# Altium PCB GameBoard_V1I1.PcbDoc (part 21 of 22) (continued)
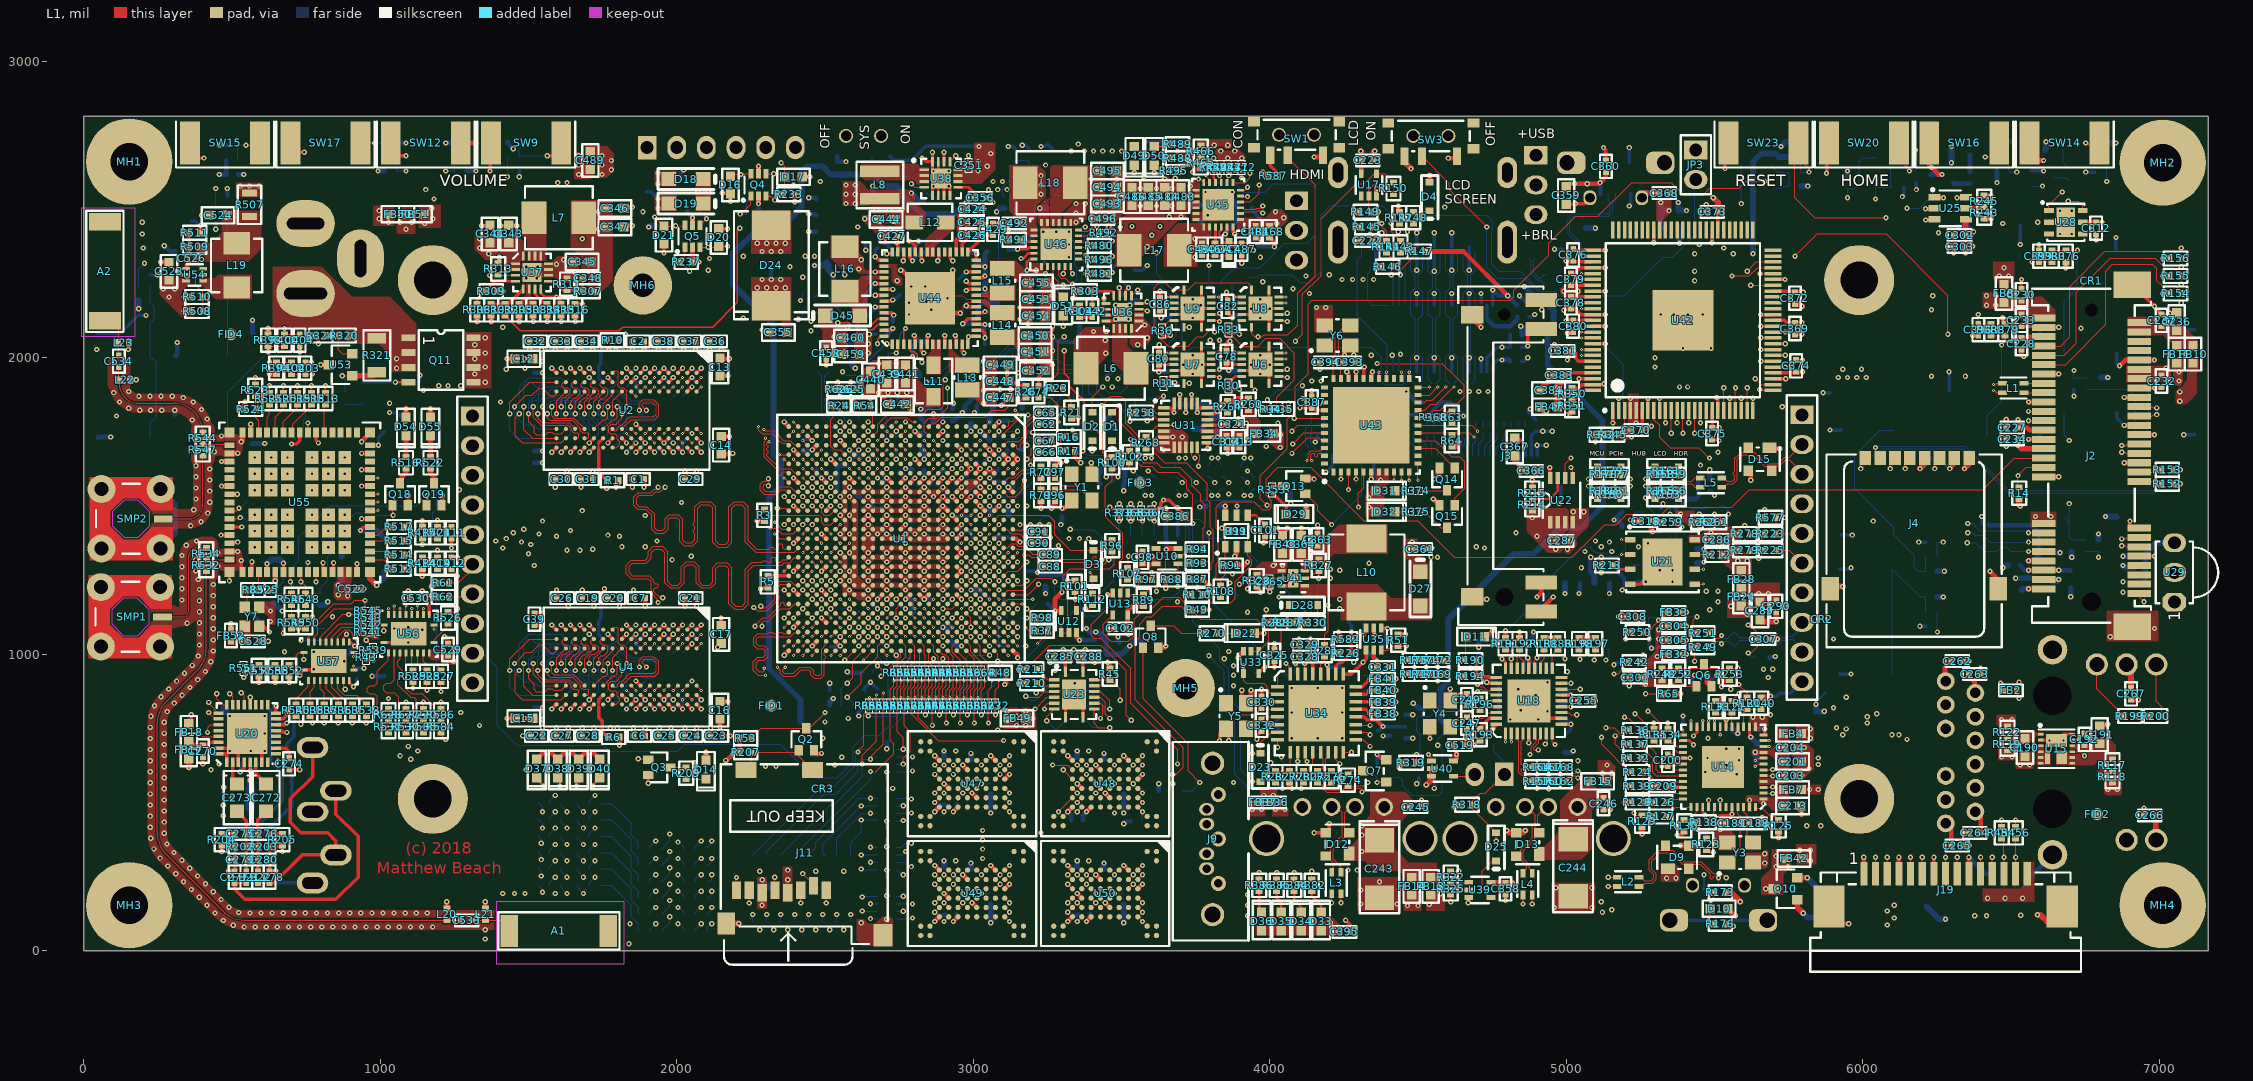
[diagram p0: L1 view]
## Polygon pours and split planes (outlines as drawn) (continued)
GND on L1 "L1-GND 4" (solid, remove dead copper, pour order 972): 3228.35,2409.45 3228.35,2444.88 3212.36,2460.87 3212.36,2511.57 3236.22,2535.43 3259.84,2535.43 3259.84,2409.45
SW2 on L1 "L1-SW2" (solid, remove dead copper, pour order 970): 3188.98,2405.51 3157.48,2437.01 3145.67,2437.01 3145.67,2472.44 3122.05,2496.06 3122.05,2649.61 3220.47,2649.61 3244.09,2625.98 3244.09,2543.31 3212.6,2511.81 3212.6,2444.88 3216.54,2440.94 3216.54,2405.51
+3V3_HDR on L1 "L1-+3V3_HDR 1" (solid, remove dead copper, pour order 968): 1645.67,2531.5 1641.73,2527.56 1641.73,2374.02 1677.17,2338.58 1677.17,2303.15 1700.79,2279.53 1700.79,2208.66 1732.28,2208.66 1783.46,2259.84 1783.46,2531.5
FS_3V3_HDR on L1 "L1-FS_3V3_HDR" (solid, remove dead copper, pour order 966): 1507.87,2248.03 1507.87,2208.66 1527.56,2188.98 1527.56,2169.29 1456.69,2169.29 1456.69,2188.98 1468.5,2188.98 1492.13,2212.6 1492.13,2248.03
GND on L1 "L1-GND 5" (solid, remove dead copper, pour order 964): 1543.31,2255.91 1543.31,2271.65 1590.55,2271.65 1610.24,2251.97 1637.8,2251.97 1669.29,2283.46 1669.29,2342.52 1598.43,2342.52 1574.8,2318.9 1480.32,2318.9 1480.32,2255.91
PHASE_3V3_HDR on L1 "L1-PHASE_3V3_HDR" (solid, remove dead copper, pour order 962): 1496.06,2326.77 1496.06,2393.7 1476.38,2413.39 1476.38,2527.56 1559.06,2527.56 1559.06,2326.77
+VIN_4V2 on L1 "L1-+VIN_4V2 1" (solid, remove dead copper, pour order 960): 1472.44,2291.34 1472.44,2326.77 1488.19,2326.77 1488.19,2385.83 1460.63,2413.39 1318.9,2413.39 1318.9,2366.14 1354.33,2330.71 1374.02,2330.71 1393.7,2350.39 1409.45,2350.39 1421.26,2338.58 1421.26,2295.28 1421.26,2291.34
+VIN_4V2 on L1 "L1-+VIN_4V2 2" (solid, remove dead copper, pour order 958): 358.27,2267.72 311.02,2267.72 299.21,2279.53 255.91,2279.53 255.91,2212.6 330.71,2137.8 370.08,2137.8 374.02,2141.73 374.02,2173.23 358.27,2173.23 330.71,2200.79 330.71,2224.41 358.27,2251.97
+5V_USB_OTG on L1 "L1-+5V_USB_OTG" (solid, remove dead copper, pour order 956): 5746.06,271.65 5732.28,257.87 5732.28,188.98 5657.48,188.98 5657.48,244.09 5692.91,279.53 5692.91,342.52 5759.84,342.52 5759.84,271.65
GND on L1 "L1-GND 6" (solid, remove dead copper, pour order 954): 5681.1,283.46 5673.23,275.59 5602.36,275.59 5602.36,330.71 5661.42,330.71 5669.29,338.58 5681.1,338.58
+VIN_5V on L1 "L1-+VIN_5V 2" (solid, remove dead copper, pour order 952): 5775.59,358.27 5838.58,358.27 5842.52,358.27 5842.52,291.34 5775.59,291.34
BAT2 on L1 "L1-BAT2" (solid, remove dead copper, pour order 946): 3299.21,2485.83 3298.3,2486.74 3342.52,2530.96 3342.52,2531.5 3389.76,2531.5 3389.76,2464.57 3370.08,2464.57 3350.39,2444.88 3299.21,2444.88
SYS2 on L1 "L1-SYS2" (solid, remove dead copper, pour order 944): 3299.21,2444.88 3299.21,2488.19 3342.52,2531.5 3389.76,2531.5 3389.76,2464.57 3397.64,2456.69 3444.88,2456.69 3444.88,2649.61 3267.72,2649.61 3259.84,2641.73 3259.84,2444.88
GND on L1 "L1-GND 7" (solid, remove dead copper, pour order 942): 4992.13,1359.68 4991.1,1358.65 4991.1,1347.49 5000,1338.58 5011.81,1338.58 5035.43,1366.14 5034.4,1390.79 5074.67,1429.27 5075.48,1491.31 5074.67,1492.13 5011.81,1492.13 5011.81,1421.26 4992.13,1401.57
+3V3 on L1 "L1-+3V3 3" (solid, remove dead copper, pour order 936): 4980.31,1342.52 4992.13,1354.33 4992.13,1405.51 5007.87,1421.26 5007.87,1484.25 5000,1492.13 4870.08,1492.13 4866.14,1488.19 4866.14,1413.39 4937.01,1342.52
+3V3 on L1 "L1-+3V3 4" (solid, remove dead copper, pour order 934): 5484.25,1374.02 5510.93,1347.34 5510.93,1327.65 5574.8,1263.78 5625.98,1263.78 5625.98,1318.9 5590.55,1354.33 5590.55,1425.2 5586.61,1429.13 5476.38,1429.13 5448.82,1401.57 5413.39,1401.57 5413.39,1397.64 5413.39,1374.02
GND on L1 "L1-GND 8" (solid, remove dead copper, pour order 862): 5370.08,1444.88 5397.64,1444.88 5433.07,1409.45 5452.76,1409.45 5460.63,1417.32 5460.63,1433.07 5452.76,1440.94 5452.76,1456.69 5444.88,1456.69 5433.07,1468.5 5433.07,1484.25 5370.08,1484.25
GND on L1 "L1-GND 9" (solid, remove dead copper, pour order 860): 5165.35,1724.41 5228.35,1724.41 5228.35,1751.97 5244.09,1767.72 5244.09,1877.95 5208.66,1877.95 5208.66,1771.65 5188.98,1751.97 5165.35,1751.97
+3V3 on L1 "L1-+3V3 5" (solid, remove dead copper, pour order 858): 2358.27,165.35 2389.76,165.35 2389.76,282.87 2389.17,283.46 2358.27,283.46
+3V3_GYRO on L1 "L1-+3V3_GYRO" (solid, remove dead copper, pour order 856): 3968.5,1724.41 3968.5,1787.4 3944.88,1811.02 3944.88,1834.65 3913.39,1834.65 3913.39,1763.78 3909.45,1759.84 3767.72,1759.84 3767.72,1744.09 3822.83,1744.09 3842.52,1724.41
+3V3_WIFI on L1 "L1-+3V3_WIFI" (solid, remove dead copper, pour order 846): 905.51,1295.28 905.51,1255.91 901.57,1251.97 901.57,1186.02 896.65,1181.1 854.33,1181.1 842.52,1192.91 842.52,1236.22 854.33,1248.03 854.33,1295.28
+5V_JMP on L1 "L1-+5V_JMP" (solid, remove dead copper, pour order 424): 1287.4,2086.61 1374.02,2086.61 1374.02,1897.64 1287.4,1897.64
+5V_BARREL on L1 "L1-+5V_BARREL" (solid, remove dead copper, pour order 844): 637.8,2307.09 637.8,2094.49 885.83,2094.49 885.83,2059.06 897.64,2047.24 994.09,2047.24 1039.37,2001.97 1039.37,1952.76 1122.05,1952.76 1122.05,2114.17 1031.5,2204.72 905.51,2204.72 803.15,2307.09
+1V5_DDR on L1 "L1-+1V5_DDR" (solid, pour order 842): 2732.28,2440.94 2736.22,2437.01 2834.65,2437.01 2838.58,2440.94 2838.58,2492.13 2814.96,2515.75 2657.48,2515.75 2649.61,2507.87 2649.61,2496.06 2657.48,2488.19 2657.48,2444.88 2665.35,2437.01
+1V375_CORE on L1 "L1" (solid, remove dead copper, pour order 836): 2889.76,1838.58 2885.83,1834.65 2755.91,1834.65 2755.91,1866.14 2748.03,1874.02 2629.92,1874.02 2629.92,1901.57 2659.45,1901.57 2669.29,1911.42 2687.01,1929.13 2811.02,1929.13 2842.52,1897.64 2889.76,1897.64
GND on L1 "L1-GND" (solid, remove dead copper, pour order 834): 3224.41,2267.72 3259.84,2267.72 3275.59,2251.97 3275.59,2173.23 3259.84,2157.48 3259.84,2122.05 3224.41,2122.05
+VIN_5V on L1 "L1-+VIN_5V" (solid, pour order 760): 2251.97,2496.06 2251.97,2350.39 2385.83,2350.39 2385.83,2496.06
+VIN_4V2 on L1 "L1-+VIN_4V2" (solid, pour order 724): 2385.83,2070.87 2355.32,2070.87 2354.33,2071.85 2354.33,2125.98 2251.97,2125.98 2251.97,2271.65 2385.83,2271.65
+3V3_HDR on L1 "L1-+3V3_HDR" (solid, pour order 708): 2000,2496.06 1925.2,2496.06 1925.2,2547.24 2000,2547.24
+3V3 on L1 "L1-+3V3 1" (solid, pour order 702): 2000,2578.74 1925.2,2578.74 1925.2,2629.92 2000,2629.92
+5V_FTDI on L1 "L1-+5V_FTDI" (solid, pour order 700): 2114.17,2625.98 2114.17,2496.06 2062.99,2496.06 2062.99,2625.98
+3V3 on L1 "L1-+3V3" (solid, pour order 698): 3200.79,2110.24 3173.23,2110.24 3153.54,2129.92 3153.54,2251.97 3129.92,2275.59 3055.12,2275.59 3055.12,2326.77 3145.67,2326.77 3200.79,2271.65
GND on L1 "L1" (solid, remove dead copper, pour order 696): 18 vertices, not listed, extent 2629.92,1929.13 2787.4,1992.13
GND on L1 "L1" (solid, remove dead copper, pour order 694): 3224.41,1940.94 3224.41,2003.94 3220.47,2007.87 3220.47,2090.55 3251.97,2090.55 3271.65,2070.87 3271.65,2062.99 3271.65,2015.75 3271.65,1956.69 3255.91,1940.94
SW3LX on L1 "L1" (solid, remove dead copper, pour order 692): 2937.01,2438.98 2937.01,2480.31 2877.95,2480.31 2877.95,2437.01 2838.58,2397.64 2838.58,2344.49 2838.58,2340.55 2870.08,2340.55 2870.08,2372.05
+1V375_SOC on L1 "L1" (solid, remove dead copper, pour order 688): 3031.5,1929.13 3031.5,2000 3078.74,2000 3078.74,1838.58 3027.56,1838.58 3000,1866.14 2940.94,1866.14 2940.94,1917.32 3019.68,1917.32
SW1CLX on L1 "L1" (solid, remove dead copper, pour order 686): 2917.32,2047.24 2917.32,1948.82 3019.68,1948.82 3019.68,2000 2956.69,2000 2933.07,2023.62 2929.13,2027.56 2929.13,2047.24
SW1LX on L1 "L1" (solid, remove dead copper, pour order 684): 2858.27,2059.06 2889.76,2059.06 2889.76,1944.88 2842.52,1944.88 2842.52,2003.94 2858.27,2019.68 2858.27,2023.62
GND on L1 "L1" (solid, remove dead copper, pour order 682): 2598.43,1992.13 2598.43,2078.74 2606.3,2086.61 2649.61,2086.61 2653.54,2086.61 2657.48,2082.68 2657.48,2015.75 2657.48,2011.81 2637.8,1992.13
+5V on L1 "L1" (solid, remove dead copper, pour order 680): 2574.8,1996.06 2547.24,1996.06 2519.68,2023.62 2492.13,2023.62 2492.13,2090.55 2480.31,2102.36 2476.38,2106.3 2476.38,2169.29 2527.56,2169.29 2527.56,2122.05 2535.43,2114.17 2543.31,2106.3 2559.05,2106.3 2574.8,2090.55
SWBSTLX on L1 "L1" (solid, remove dead copper, pour order 678): 2698.82,2275.59 2698.82,2263.78 2663.39,2263.78 2647.64,2248.03 2643.7,2244.09 2643.7,2118.11 2592.52,2118.11 2592.52,2165.35 2572.83,2185.04 2521.65,2185.04 2521.65,2263.78 2612.2,2263.78 2624.02,2275.59
+0V75_DDR_VTT on L1 "L1" (solid, remove dead copper, pour order 676): 17 vertices, not listed, extent 3055.12,1942.04 3216.54,2095.58
SW4LX on L1 "L1" (solid, remove dead copper, pour order 674): 3015.75,2185.04 3015.75,2196.85 3043.31,2196.85 3055.12,2185.04 3062.99,2177.17 3074.8,2177.17 3141.73,2177.17 3141.73,2125.98 3055.12,2125.98 3055.12,2161.42 3035.43,2181.1 3031.5,2185.04 3015.75,2185.04
SW2LX on L1 "L1" (solid, remove dead copper, pour order 672): 3009.84,2204.72 3009.84,2216.54 3045.28,2216.54 3057.09,2228.35 3057.09,2244.09 3139.76,2244.09 3139.76,2192.91 3057.09,2192.91 3045.28,2204.72
no net on L1 "L1" (solid, remove dead copper, pour order 668): 3009.84,2204.72 3009.84,2216.54 3045.28,2216.54 3057.09,2228.35 3057.09,2244.09 3139.76,2244.09 3139.76,2192.91 3057.09,2192.91 3045.28,2204.72
no net on L1 "L1" (solid, remove dead copper, pour order 666): 3011.81,2196.85 3011.81,2185.04 2976.38,2185.04 2964.57,2173.23 2964.57,2157.48 2881.89,2157.48 2881.89,2208.66 2964.57,2208.66 2976.38,2196.85
GND on L1 "L1" (solid, pour order 664): 20 vertices, not listed, extent 2622.05,1224.41 2732.64,1271.65
+VDDPU on L1 "L1" (solid, pour order 636): 39 vertices, not listed, extent 2716.54,1244.09 2921.26,1271.65
GND on L1 "L1" (solid, pour order 632): 39 vertices, not listed, extent 2716.54,1212.6 2921.26,1240.16
+1V375_SOC on L1 "L1" (solid, pour order 630): 47 vertices, not listed, extent 2622.05,1275.59 2921.26,1303.15
GND on L1 "L1" (solid, pour order 454): 48 vertices, not listed, extent 2622.05,1307.09 2921.26,1334.65
+1V375_CORE on L1 "L1" (solid, pour order 452): 34 vertices, not listed, extent 2685.04,1338.58 2921.26,1366.14
+1V2_VDD_ARM_CAP on L1 "L1" (solid, pour order 450): 30 vertices, not listed, extent 2685.04,1377.95 2921.26,1409.45
GND on L1 "L1" (solid, pour order 448): 28 vertices, not listed, extent 2779.53,1401.57 2921.26,1440.94
+1V5_DDR on L1 "L1" (solid, pour order 446): 40 vertices, not listed, extent 2578.74,1212.6 2716.54,1535.43
+1V2_VDD_ARM_CAP on L1 "L1" (solid, pour order 444): 41 vertices, not listed, extent 2685.04,1444.88 2921.26,1472.44
GND on L1 "L1" (solid, pour order 442): 26 vertices, not listed, extent 2700.79,1476.38 2858.27,1503.94
+1V375_CORE on L1 "L1" (solid, pour order 440): 41 vertices, not listed, extent 2622.05,1507.87 2858.27,1535.43
GND on L1 "L1" (solid, pour order 438): 50 vertices, not listed, extent 2590.55,1527.56 2921.26,1566.93
GND on L1 "L1" (solid, pour order 436): 22 vertices, not listed, extent 2622.05,1401.57 2732.28,1440.94
+1V1_VDDSOC_CAP on L1 "L1" (solid, pour order 434): 2692.91,1496.06 2661.42,1496.06 2653.54,1503.94 2637.8,1503.94 2622.05,1488.19 2622.05,1480.31 2625.98,1476.38 2633.86,1476.38 2641.73,1484.25 2649.61,1484.25 2657.48,1476.38 2696.85,1476.38 2700.79,1480.31 2700.79,1488.19
GND on L1 "L1" (solid, pour order 432): 32 vertices, not listed, extent 2547.24,1381.89 2590.55,1586.61
GND on L1 "L1" (solid, pour order 430): 38 vertices, not listed, extent 2543.31,1181.1 2669.29,1350.39
+1V1_VDDSOC_CAP on L1 "L1" (solid, pour order 428): 20 vertices, not listed, extent 2622.05,1338.58 2669.29,1409.45
GND on L1 "L1" (solid, pour order 426): 25 vertices, not listed, extent 2952.76,1523.62 3047.24,1602.36
PMID2 on L12 "L12-PMID2" (solid, remove dead copper, pour order 1362): 3149.61,2342.52 3177.17,2370.08 3212.6,2370.08 3212.6,2307.09 3188.98,2307.09 3177.17,2318.9 3149.61,2318.9
GND on L12 "L12-GND 17" (solid, remove dead copper, pour order 1356): 3157.48,1460.63 3157.48,1484.25 3204.72,1484.25 3204.72,1334.65 3122.05,1334.65 3122.05,1425.2
GND on L12 "L12-GND 16" (solid, remove dead copper, pour order 1352): 2452.76,759.84 2543.31,759.84 2551.18,751.97 2551.18,732.28 2590.55,732.28 2590.55,795.28 2510.62,795.28 2506.68,791.34 2452.76,791.34
+5V on L12 "L12-+5V" (solid, remove dead copper, pour order 1350): 2996.06,1519.68 2996.06,1480.31 3015.75,1480.31 3031.5,1496.06 3031.5,1503.94 3015.75,1519.68
+1V5_DDR on L12 "L12-+1V5_DDR 1" (solid, remove dead copper, pour order 1340): 21 vertices, not listed, extent 2444.88,610.24 2637.8,767.72
+3V3 on L12 "L12-+3V3 2" (solid, remove dead copper, pour order 1330): 458.66,458.66 458.66,438.98 474.41,438.98 494.09,458.66 517.72,458.66 517.72,501.97 466.54,501.97 458.66,494.09
GND on L12 "L12-GND 15" (solid, remove dead copper, pour order 1326): 3007.87,1681.1 3007.87,1736.22 2978.54,1736.22 2948.87,1765.9 2884.59,1765.9 2884.59,1749.27 2917.94,1715.92 2917.94,1683.69 2917.32,1683.07 2927.17,1673.23 2964.57,1673.23 2968.5,1673.23 2976.38,1665.35 2992.13,1665.35
+VIN_4V2 on L12 "L12-+VIN_4V2" (solid, remove dead copper, pour order 1320): 3539.37,2145.67 3539.37,2031.5 3598.43,2031.5 3625.98,2059.06 3625.98,2082.68 3600.39,2082.68 3590.55,2092.52 3590.55,2125.98 3570.87,2145.67
+1V375_SOC on L12 "L12-+1V375_SOC" (solid, remove dead copper, pour order 1318): 3460.63,2129.92 3393.7,2129.92 3393.7,1988.19 3433.07,1988.19 3433.07,2007.87 3433.94,2007 3486,2007 3486,2031.98 3460.63,2057.35
+VIN_5V on L12 "L12-+VIN_5V 1" (solid, remove dead copper, pour order 1316): 5909.45,165.35 5944.88,200.79 6122.05,200.79 6122.05,78.74 5992.13,78.74 5937.01,133.86 5909.45,133.86
+VDDIO on L12 "L12-+VDDIO" (solid, remove dead copper, pour order 1310): 515.75,803.15 547.24,803.15 555.12,811.02 594.49,811.02 594.49,838.58 566.93,866.14 555.12,866.14 523.62,834.65 515.75,834.65
+PULLUP on L12 "L12-+PULLUP" (solid, remove dead copper, pour order 1308): 3736.22,2641.73 3712.6,2641.73 3712.6,2661.42 3681.1,2692.91 3681.1,2704.72 3740.16,2704.72 3744.09,2700.79 3744.09,2673.23 3736.22,2665.35
+LVDS_2V5 on L12 "L12-+LVDS_2V5" (solid, remove dead copper, pour order 1304): 2629.92,1555.12 2629.92,1633.86 2606.3,1633.86 2594.49,1622.05 2566.93,1622.05 2566.93,1599.62 2611.43,1555.12 2625.98,1555.12
+3V3 on L12 "L12-+3V3 6" (solid, remove dead copper, pour order 1298): 5425.2,1948.82 5425.2,1889.76 5366.14,1889.76 5366.14,1948.82
3V3_AVDD on L12 "L12-3V3_AVDD" (solid, remove dead copper, pour order 1296): 5279.53,2015.75 5279.53,1952.76 5318.9,1952.76 5330.71,1964.57 5423.23,1964.57 5424.21,1965.55 5424.21,2015.75
+3V3_WIFI on L12 "L12-+3V3_WIFI" (solid, remove dead copper, pour order 1294): 688.98,1153.54 700.79,1153.54 716.54,1137.8 732.28,1137.8 748.03,1153.54 759.84,1153.54 759.84,1177.17 744.09,1177.17 728.35,1192.91 720.47,1192.91 704.72,1177.17 688.98,1177.17
GND on L12 "L12-GND 9" (solid, remove dead copper, pour order 1290): 5602.36,377.95 5633.86,377.95 5669.29,413.39 5669.29,456.69 5602.36,456.69
GND on L12 "L12-GND 10" (solid, remove dead copper, pour order 1284): 3370.08,173.23 3405.51,173.23 3405.51,204.72 3456.69,204.72 3456.69,149.61 3370.08,149.61
GND on L12 "L12-GND 11" (solid, remove dead copper, pour order 1282): 2921.26,173.23 2956.69,173.23 2956.69,204.72 3007.87,204.72 3007.87,149.61 2921.26,149.61
GND on L12 "L12-GND 12" (solid, remove dead copper, pour order 1280): 3370.08,543.31 3405.51,543.31 3405.51,574.8 3456.69,574.8 3456.69,519.68 3370.08,519.68
GND on L12 "L12-GND 13" (solid, remove dead copper, pour order 1278): 2921.26,543.31 2956.69,543.31 2956.69,574.8 3007.87,574.8 3007.87,519.68 2921.26,519.68
+3V3_FLASH on L12 "L12-+3V3_FLASH" (solid, remove dead copper, pour order 1276): 2889.76,551.18 2948.82,551.18 2948.82,586.61 3074.8,586.61 3074.8,622.05 3039.37,657.48 3015.75,657.48 3015.75,625.98 2980.31,625.98 2968.5,637.8 2968.5,681.1 2964.57,685.04 2925.2,685.04 2925.2,606.3 2889.76,570.87
+3V3_FLASH on L12 "L12-+3V3_FLASH 1" (solid, remove dead copper, pour order 1274): 17 vertices, not listed, extent 3338.58,551.18 3523.62,685.04
+3V3_FLASH on L12 "L12-+3V3_FLASH 2" (solid, remove dead copper, pour order 1272): 17 vertices, not listed, extent 3338.58,181.1 3523.62,314.96
+3V3_FLASH on L12 "L12-+3V3_FLASH 3" (solid, remove dead copper, pour order 1270): 17 vertices, not listed, extent 2889.76,181.1 3074.8,314.96
+3V3 on L12 "L12-+3V3 5" (solid, remove dead copper, pour order 1262): 2409.83,255.91 2409.83,252.35 2362.2,204.72 2338.58,204.72 2338.58,237.9 2320.58,255.91 2263.78,255.91 2244.09,275.59 2244.09,295.28 2598.42,295.28 2598.42,275.59 2578.74,255.91
+3V3 on L12 "L12-+3V3 7" (solid, remove dead copper, pour order 1258): 547.24,775.59 547.24,744.09 472.44,669.29 472.44,594.49 417.32,594.49 417.32,704.72 456.69,744.09 456.69,775.59
+3V3 on L12 "L12-+3V3 8" (solid, remove dead copper, pour order 1256): 6925.2,1185.04 6925.2,1263.78 6866.14,1263.78 6866.14,1185.04
+3V3 on L12 "L12-+3V3 9" (solid, remove dead copper, pour order 1244): 6468.5,114.17 6468.5,78.74 6362.2,78.74 6362.2,133.86 6417.32,133.86 6437.01,114.17
GND on L12 "L12-GND 14" (solid, remove dead copper, pour order 1242): 6492.13,114.17 6492.13,78.74 6602.36,78.74 6602.36,133.86 6537.4,133.86 6517.72,114.17
+3V3_MPCIE on L12 "L12-+3V3_MPCIE" (solid, remove dead copper, pour order 1206): 6263.78,2248.03 6578.74,2248.03 6578.74,2153.54 6263.78,2153.54
+5V on L12 "L12-+5V 1" (solid, remove dead copper, pour order 1204): 5960.63,1889.76 5917.32,1889.76 5901.57,1905.51 5901.57,1976.38 5960.63,1976.38
+VIN_5V on L12 "L12-+VIN_5V 2" (solid, remove dead copper, pour order 1202): 5972.44,1889.76 6015.75,1889.76 6031.5,1905.51 6031.5,1980.31 5972.44,1980.31
+5V_HDR_J1 on L12 "L12-+5V_HDR_J1" (solid, remove dead copper, pour order 1200): 20 vertices, not listed, extent 5696.85,1677.17 6145.67,1944.88
+2V5 on L12 "L12-+2V5" (solid, remove dead copper, pour order 1198): 2882.91,1759.51 2884.59,1757.83 2884.59,1737.46 2885.83,1736.22 2897.64,1736.22 2917.32,1716.54 2917.32,1645.67 2874.02,1645.67 2857.01,1662.68 2857.01,1759.51
+1V2_ETH_AVDDL_PLL on L12 "L12-+1V2_ETH_AVDDL_PLL 1" (solid, remove dead copper, pour order 1192): 5677.17,783.46 5814.96,783.46 5814.96,838.58 5677.17,838.58
+BAT on L12 "L12-+BAT 1" (solid, remove dead copper, pour order 1180): 3318.9,2685.04 3641.73,2685.04 3641.73,2761.81 3639.76,2763.78 3318.9,2763.78
+2V5_ETH_DVDDH on L12 "L12-+2V5_ETH_DVDDH" (solid, remove dead copper, pour order 1178): 5405.51,822.83 5535.43,822.83 5566.93,854.33 5566.93,905.51 5511.81,905.51 5511.81,866.14 5500,854.33 5405.51,854.33
+1V2_ETH on L12 "L12-+1V2_ETH" (solid, remove dead copper, pour order 1176): 5622.05,913.39 5657.48,913.39 5665.35,905.51 5704.72,905.51 5724.41,925.2 5724.41,964.57 5622.05,964.57
+2V5_ETH_DVDDH on L12 "L12-+2V5_ETH_DVDDH 1" (solid, remove dead copper, pour order 1174): 5484.25,539.37 5484.25,519.68 5492.13,511.81 5492.13,503.94 5480.31,492.13 5480.31,472.44 5425.2,472.44 5374.02,523.62 5354.33,543.31 5354.33,555.12 5362.2,562.99 5385.15,562.99 5408.77,539.37
SW1 on L12 "L12-SW1" (solid, remove dead copper, pour order 1170): 3673.23,2413.39 3673.23,2370.08 3712.6,2330.71 3811.02,2330.71 3811.02,2381.89 3775.59,2417.32 3669.29,2417.32
GND on L12 "L12-GND 8" (solid, remove dead copper, pour order 1168): 3669.29,2255.91 3704.72,2220.47 3704.72,2173.23 3720.47,2157.48 3767.72,2157.48 3779.53,2169.29 3779.53,2196.85 3720.47,2255.91 3720.47,2299.21 3669.29,2299.21
no net on L12 "L12-No Net" (solid, pour order 1166): 1767.72,2610.24
+3V3 on L12 "L12-+3V3 5" (solid, remove dead copper, pour order 1154): 2244.09,47.24 2598.43,47.24 2598.43,66.93 2586.61,78.74 2255.91,78.74 2244.09,66.93
+DDR_VREF on L12 "L12-+DDR_VREF" (solid, remove dead copper, pour order 1152): 2448.82,677.17 2531.5,677.17 2531.5,744.09 2488.19,744.09 2405.51,744.09 2405.51,720.47
+5V_BARREL on L12 "L12-+5V_BARREL" (solid, remove dead copper, pour order 1132): 996.06,1897.64 996.06,1822.83 1015.75,1803.15 1039.37,1803.15 1047.24,1811.02 1047.24,1897.64
3V3_OVDD on L12 "L12-3V3_OVDD" (solid, remove dead copper, pour order 1124): 5507.87,2248.03 5586.61,2248.03 5586.61,2358.27 5562.99,2381.89 5527.56,2381.89 5507.87,2362.2
GND on L12 "L12-GND 4" (solid, remove dead copper, pour order 1122): 5484.25,2326.77 5484.25,2358.27 5503.94,2377.95 5503.94,2409.45 5448.82,2409.45 5421.26,2381.89 5421.26,2326.77
+3V3 on L12 "L12-+3V3 3" (solid, remove dead copper, pour order 1120): 5417.32,2307.09 5417.32,2248.03 5488.19,2248.03 5488.19,2307.09
GND on L12 "L12-GND 5" (solid, remove dead copper, pour order 1118): 5220.47,1389.76 5220.47,1354.33 5232.28,1342.52 5267.72,1342.52 5287.4,1362.2 5287.4,1385.83 5275.59,1397.64 5228.35,1397.64
HUB_VBUS_DET on L12 "L12-HUB_VBUS_DET" (solid, remove dead copper, pour order 1116): 4791.34,933.07 4791.34,992.13 4779.53,992.13 4763.78,1007.87 4728.35,1007.87 4728.35,933.07
GND on L12 "L12-GND 6" (solid, remove dead copper, pour order 1114): 4062.99,704.72 4287.4,704.72 4295.28,712.6 4295.28,1023.62 4267.72,1023.62 4267.72,917.32 4248.03,897.64 4062.99,897.64
GND on L12 "L12-GND 7" (solid, remove dead copper, pour order 1112): 19 vertices, not listed, extent 4791.34,763.78 5019.69,960.63
+VCC_CAN on L12 "L12-+VCC_CAN" (solid, remove dead copper, pour order 1108): 5295.28,1043.31 5314.96,1043.31 5322.83,1051.18 5374.02,1051.18 5381.89,1059.06 5381.89,1098.43 5311.02,1098.43 5295.28,1082.68
+3V3 on L12 "L12-+3V3 4" (solid, remove dead copper, pour order 1106): 5452.76,1267.72 5452.76,1216.54 5468.5,1200.79 5511.81,1200.79 5523.62,1212.6 5523.62,1244.09 5500,1267.72
+3V3_COMP on L12 "L12-+3V3_COMP" (solid, remove dead copper, pour order 1104): 17 vertices, not listed, extent 5374.02,1228.35 5425.2,1440.94
+VDD_CSI on L12 "L12-+VDD_CSI" (solid, remove dead copper, pour order 1100): 6448.82,204.72 6448.82,188.98 6543.31,188.98 6543.31,224.41 6566.93,224.41 6566.93,149.61 6539.37,149.61 6527.56,137.8 6437.01,137.8 6409.45,165.35 6409.45,204.72
+3V3_ETH_AVDDH on L12 "L12-+3V3_ETH_AVDDH" (solid, remove dead copper, pour order 456): 5688.98,511.81 5677.17,523.62 5677.17,547.24 5582.68,547.24 5582.68,472.44 5767.72,472.44 5767.72,527.56 5720.47,527.56 5704.72,511.81
+1V2_ETH_AVDDL_PLL on L12 "L12-+1V2_ETH_AVDDL_PLL" (solid, remove dead copper, pour order 1024): 5500,452.76 5503.94,456.69 5531.5,456.69 5543.31,468.5 5543.31,507.87 5531.5,519.68 5503.94,519.68 5503.94,543.31 5570.87,543.31 5574.8,539.37 5574.8,452.76 5551.18,429.13 5500,429.13
+1V2_ETH_DVDDL on L12 "L12-+1V2_ETH_DVDDL" (solid, remove dead copper, pour order 1022): 30 vertices, not listed, extent 5377.95,641.73 5661.42,889.76
GND on L12 "L12-GND 1" (solid, remove dead copper, pour order 1020): 25 vertices, not listed, extent 5381.89,559.06 5673.23,830.71
+SYS on L12 "L12-+SYS" (solid, remove dead copper, pour order 1018): 3003.94,2673.23 3003.94,2724.41 3070.87,2724.41 3070.87,2649.61 3007.87,2586.61 2933.07,2586.61 2933.07,2594.49 2937.01,2598.43 2937.01,2625.98 2956.69,2625.98
+3V3 on L12 "L12-+3V3" (solid, remove dead copper, pour order 1012): 21 vertices, not listed, extent 7062.99,2169.29 7122.05,2393.7
+5V_USB_OTG_Q on L12 "L12-+5V_USB_OTG_Q" (solid, remove dead copper, pour order 1010): 4452.76,606.3 4405.51,606.3 4389.76,622.05 4389.76,696.85 4425.2,696.85 4452.76,669.29
GND on L12 "L12-GND 2" (solid, remove dead copper, pour order 1000): 21 vertices, not listed, extent 4133.86,1803.15 4440.94,2015.75
no net on L12 "L12-No Net 1" (solid, remove dead copper, pour order 998): 4417.32,1818.9
+3V3 on L12 "L12-+3V3 1" (solid, remove dead copper, pour order 996): 19 vertices, not listed, extent 4248.03,1862.2 4444.88,2015.75
SW2 on L12 "L12-SW2" (solid, remove dead copper, pour order 994): 3212.6,2539.37 3244.09,2539.37 3267.72,2562.99 3295.28,2562.99 3295.28,2629.92 3224.41,2629.92 3212.6,2618.11
GND on L12 "L12-GND 3" (solid, remove dead copper, pour order 458): 5612.2,265.75 5614.17,263.78 5673.23,263.78 5685.04,275.59 5685.04,329.47 5675.69,338.82 5664.3,338.82 5624.69,299.21 5610.24,299.21 5610.24,267.72
+5V_USB_OTG on L12 "L12-+5V_USB_OTG" (solid, remove dead copper, pour order 984): 5314.96,216.54 5314.96,271.65 5350.39,271.65 5433.07,354.33 5633.86,354.33 5649.61,370.08 5712.6,370.08 5767.72,314.96 5767.72,279.53 5653.54,165.35 5566.93,165.35 5551.18,181.1 5551.18,255.91 5429.13,255.91 5389.76,216.54
BAT1 on L12 "L12-BAT1" (solid, remove dead copper, pour order 950): 3519.69,2444.88 3543.31,2421.26 3543.31,2397.64 3653.54,2397.64 3653.54,2496.06 3519.69,2496.06
BAT2 on L12 "L12-BAT2" (solid, remove dead copper, pour order 948): 3500,2496.06 3444.88,2496.06 3405.51,2535.43 3334.65,2535.43 3330.71,2531.5 3291.34,2531.5 3283.46,2523.62 3283.46,2480.31 3318.9,2444.88 3500,2444.88
+1V8_AUDIO on L12 "L12-+1V8_AUDIO" (solid, remove dead copper, pour order 938): 519.68,562.99 519.68,506.89 456.69,506.89 456.69,562.99
+5V_FTDI on L12 "L12-+5V_FTDI" (solid, remove dead copper, pour order 840): 2047.24,2547.24 2118.11,2547.24 2118.11,2594.49 2129.92,2606.3 2165.35,2606.3 2165.35,2633.86 2153.54,2645.67 2153.54,2767.72 2047.24,2767.72
+1V5_DDR on L12 "L12-+1V5_DDR" (solid, pour order 838): 2740.16,2551.18 2740.16,2539.37 2763.78,2515.75 2771.65,2507.87 2771.65,2460.63 2657.48,2460.63 2657.48,2511.81 2665.35,2519.68 2681.1,2519.68 2696.85,2535.43 2696.85,2559.06 2732.28,2559.06
+VIN_5V on L12 "L12-+VIN_5V" (solid, pour order 786): 2535.43,2559.06 2570.87,2594.49 2610.24,2594.49 2618.11,2586.61 2618.11,2464.57 2559.06,2405.51 2511.81,2405.51 2511.81,2559.06
GND on L12 "L12-GND" (solid, pour order 726): 1665.35,2751.97 1677.17,2740.16 1677.17,2578.74 1586.61,2578.74 1586.61,2751.97
+BAT on L12 "L12-+BAT" (solid, pour order 722): 1744.09,2751.97 1787.4,2708.66 1787.4,2625.98 1763.78,2602.36 1685.04,2602.36 1685.04,2751.97
+VIN_4V2 on L12 "L10" (solid, remove dead copper, pour order 718): 2669.29,2322.83 2649.61,2322.83 2610.24,2362.2 2610.24,2393.7 2574.8,2393.7 2559.06,2377.95 2559.06,2291.34 2577.13,2291.34 2588.94,2279.53 2665.35,2279.53 2669.29,2275.59 2704.72,2275.59 2704.72,2338.58 2685.04,2338.58
+VIN_4V2 on L12 "L10" (solid, remove dead copper, pour order 716): 3009.84,2261.81 3005.91,2265.75 2974.41,2265.75 2968.5,2259.84 2968.5,2257.87 2968.5,2248.03 2966.54,2246.06 2950.79,2230.31 2942.91,2230.31 2942.91,2167.32 2978.35,2167.32 3009.84,2198.82
GND on L12 "L10" (solid, remove dead copper, pour order 660): 3011.81,2031.5 2992.13,2031.5 2984.25,2039.37 2976.38,2039.37 2948.82,2039.37 2948.82,2062.99 2956.69,2070.87 2968.5,2082.68 2986.22,2100.39 3007.87,2100.39 3007.87,2074.8 3011.81,2070.87
+VIN_4V2 on L12 "L10" (solid, remove dead copper, pour order 658): 2940.94,2110.24 2795.28,2110.24 2795.28,2090.55 2807.09,2090.55 2811.02,2086.61 2830.71,2066.93 2846.46,2066.93 2866.14,2066.93 2870.08,2062.99 2870.08,2039.37 2933.07,2039.37 2933.07,2059.06 2944.88,2070.87 2944.88,2106.3